# Altium PCB CS2110 MPA DEMO.PCBDOC
Units mil, origin at the board's own origin, x right, y up, seen from the top; angles counter-clockwise.
Board outline 3948.85 x 2374.05 mil, 2 copper layers (Top Layer, Bottom Layer); 58 components, 38 nets, 150 pads, 53 vias.
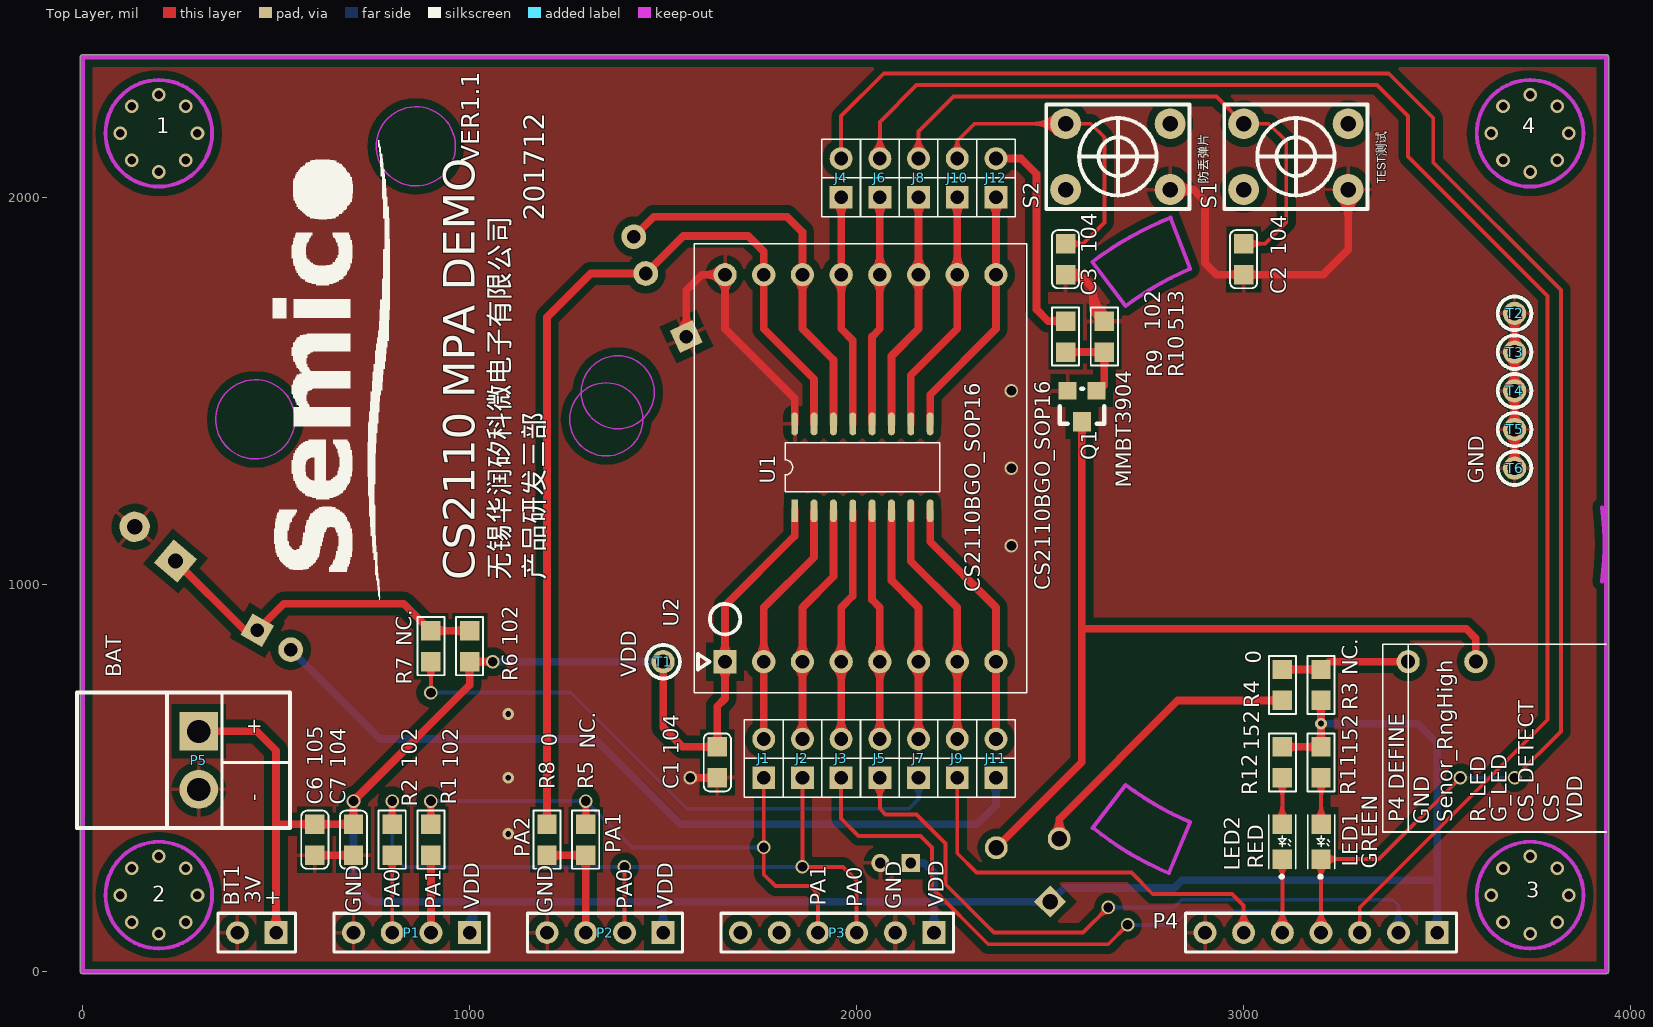
[diagram p0: Top Layer view]
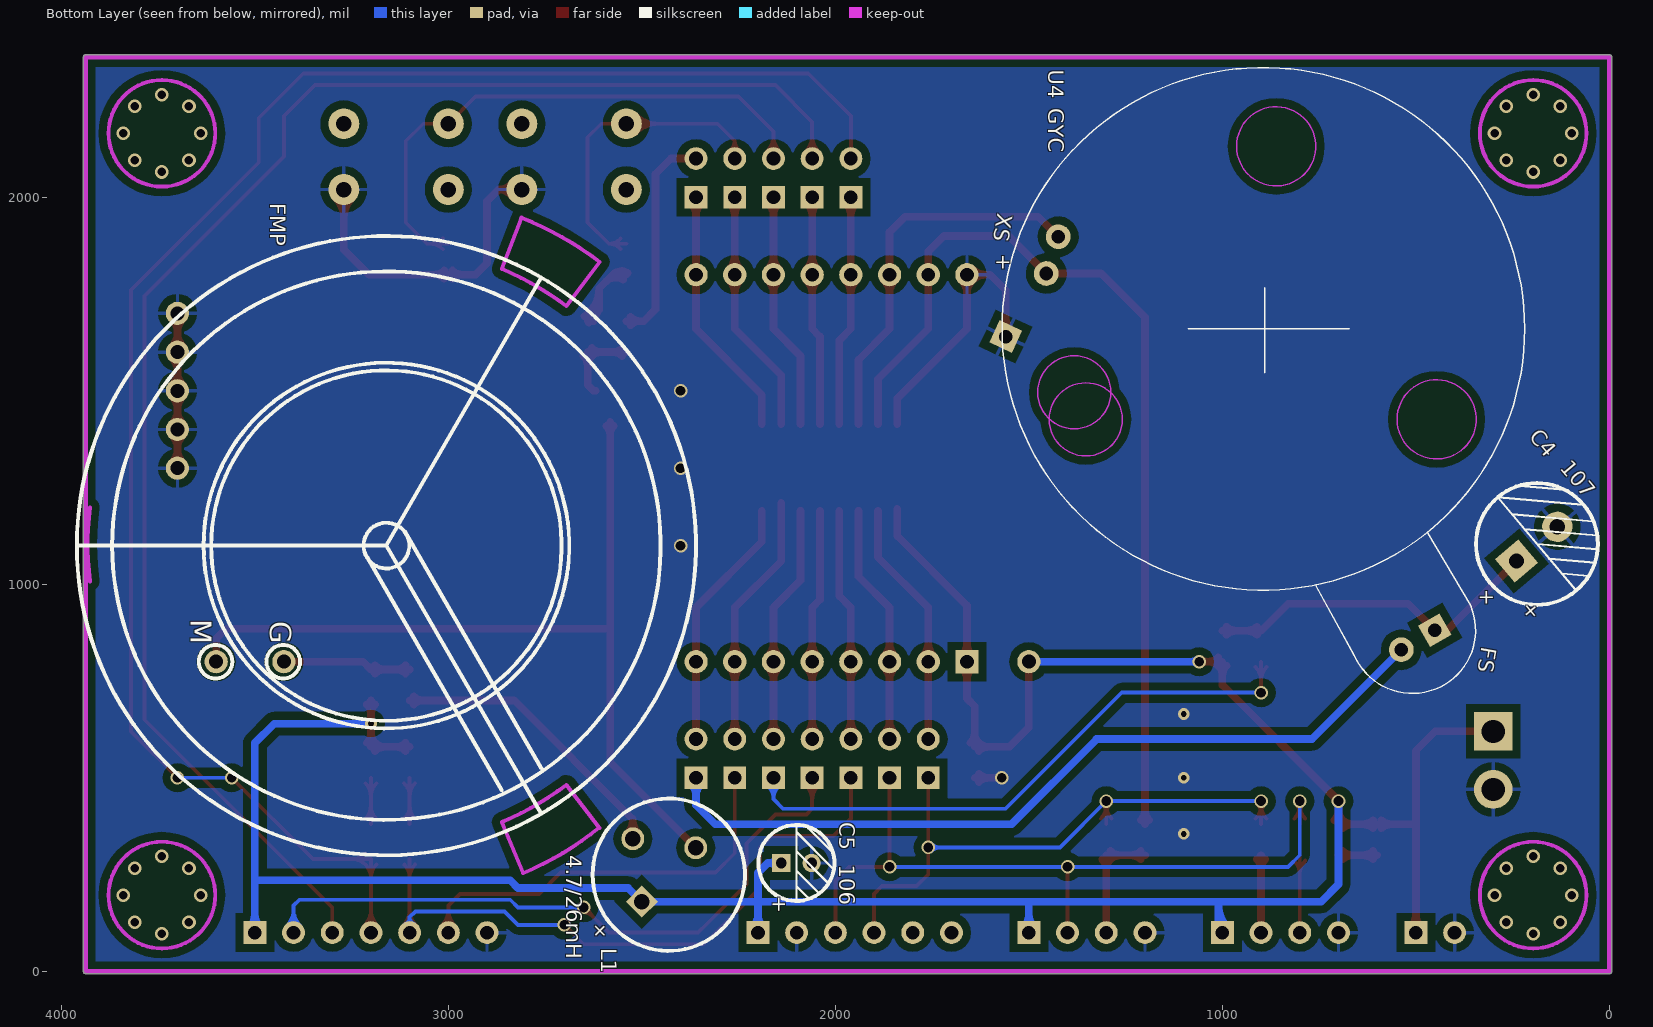
[diagram p1: Bottom Layer view, seen from below]

## Layer stack, top to bottom
Top Layer: signal copper 1.4
Dielectric: dielectric 12.6, FR-4, Dk 4.8
Bottom Layer: signal copper 1.4

## Board outline
-5.92,0 ccw(c0,0) 0,-5.92 3937.01,-5.92 ccw(c3937.01,0) 3942.93,0 3942.93,2362.2 ccw(c3937.01,2362.2) 3937.01,2368.13 0,2368.13 ccw(c0,2362.2) -5.92,2362.2

## Design rules (kind name [scope] priority, off if disabled: settings)
Clearance Clearance_2 [InNamedPolygon('TopLayer-GND')] p1: gap=20
Clearance Clearance_1 [InNamedPolygon('BotLayer-GND')] p2: gap=20
Clearance [All] p3: gap=20
ComponentClearance [All] p1 off: gap=10 collisioncheckmode=3 verticalgap=10 showdistances=FALSE
PolygonConnect PolygonConnect_2 [InNet('GND') vs (InPadClass('All Pads'))] p1: connectstyle=Relief reliefconductorwidth=10 reliefentries=4 polygonreliefangle="90 Angle"
PolygonConnect PolygonConnect_1 [All] p2: connectstyle=Direct reliefconductorwidth=10 reliefentries=4 polygonreliefangle="90 Angle"
RoutingVias [All] p1: holewidth=28 width=50 viastyle="Through Hole" minholewidth=0 minwidth=0 maxholewidth=280 maxwidth=500
SolderMaskExpansion [All] p1: expansion=4
TestPointUsage [All] p1: valid=0 allowmultiple=FALSE
Testpoint [All] p1: side=15 testpointundercomponent=TRUE minsize=40 maxsize=100 preferedsize=60 minholesize=0 maxholesize=40 preferedholesize=32 testpointgrid=1 style=1023 order=0123456789
Width [All] p1: maxlimit=100 minlimit=8 preferedwidth=10
18 further rules are at their usual default settings.

## Components (designator, comment, footprint, x,y, rotation, side; value= is the part's Value field where it differs from the comment)
1 "HOLE" HOLE 196.85,2165.35 r90 top
2 "HOLE" HOLE 196.85,196.85 r90 top
3 "HOLE" HOLE 3740.16,196.85 r90 top
4 "HOLE" HOLE 3740.16,2165.35 r90 top
BT1 "3V" BAT-2 450,100 r180 top
C1 "104" C0805 1640,500 r90 top
C2 "104" C0805 3000,1880 r270 top
C3 "104" C0805 2540,1880 r270 top
C4 "107" 220UF/16V 240,1060 r50 bottom
C5 "106" 47UF/25V 2140,280 r90 bottom
C6 "105" C0805 600,380 r270 top
C7 "104" C0805 700,380 r270 top
FMP "Comment" "SMD-BZ - 3" 3160,1100 r180 bottom
J1 "" SIP2 1760,500 r90 top
J2 "" SIP2 1860,500 r90 top
J3 "" SIP2 1960,500 r90 top
J4 "" SIP2 1960,2000 r90 top
J5 "" SIP2 2060,500 r90 top
J6 "" SIP2 2060,2000 r90 top
J7 "" SIP2 2160,500 r90 top
J8 "" SIP2 2160,2000 r90 top
J9 "" SIP2 2260,500 r90 top
J10 "" SIP2 2260,2000 r90 top
J11 "" SIP2 2360,500 r90 top
J12 "" SIP2 2360,2000 r90 top
L1 "4.7/26mH" LGB3W0912 2500,180 r45 bottom
LED1 "GREEN" L0805 3200.12,380 r270 top
LED2 "RED" L0805 3100,380 r270 top
P1 "UART" HDR1X4 1000,100 r180 top
P2 "PROGRAM" HDR1X4 1500,100 r180 top
P3 "WIRELESS" HDR1X6 2200,100 r180 top
P4 "CO" HDR1X7 3500,100 r180 top
P5 "BAT" 3.81-02P 300,620 r270 top
Q1 "MMBT3904" MMBT3906 2620,1500 r180 top
R1 "102" 0805 900,380 r270 top
R2 "102" 0805 800,380 r270 top
R3 "NC." 0805 3200,700 r90 top
R4 "0" 0805 3100,700 r90 top
R5 "NC." 0805 1300,380 r270 top
R6 "102" 0805 1000,800 r90 top
R7 "NC." 0805 900,800 r90 top
R8 "0" 0805 1200,380 r270 top
R9 "102" 0805 2540,1600 r90 top
R10 "513" 0805 2640,1680 r270 top
R11 "152" 0805 3200,500 r90 top
R12 "152" 0805 3100,500 r90 top
S1 "TEST" KEYP 3000,2020 r90 top
S2 "" KEYP 2540,2020 r90 top
T1 "VDD" "TEST POINT" 1500,800 r0 top
T2 "GND" "TEST POINT" 3700,1700 r0 top
T3 "GND" "TEST POINT" 3700,1600 r0 top (schematic designator T2)
T4 "GND" "TEST POINT" 3700,1500 r0 top (schematic designator T2)
T5 "GND" "TEST POINT" 3700,1400 r0 top (schematic designator T2)
T6 "GND" "TEST POINT" 3700,1300 r0 top (schematic designator T2)
U1 "CS2110BGO_SOP16" SOP16 1840,1190 r90 top
U2 "CS2110BGO_SOP16" TSOP16底座 1660,800 r90 top (schematic designator U3)
U4 "GYC" YANCANG1 890,1660 r180 bottom
? "Comment" SEMICO-1200*314 620,1580 r90 top

## Footprints (in the part's own frame and the unit in brackets; to place one, negate y for a bottom-side part, rotate by r counter-clockwise, add the part's x,y. Pads: shape width x height; smd on the part's side, far side on the other; paste and mask are expansions set on the pad)
3.81-02P [mil]
  rect 100x100 hole 60: 1(0,0)
  round 100 hole 60: 2(150,0)
  silkscreen extent -100,-315 250,236
47UF/25V [mm]
  rect 1.2x1.2 hole 0.7: 1(0,0)
  round 1.2 hole 0.7: 2(0,-2)
  silkscreen extent -2.54,-3.5 2.5,1.5
220UF/16V [mm]
  rect 2x2 hole 1: 1(0,0)
  round 2 hole 1: 2(0,-3.5)
  silkscreen extent -4,-5.75 4,2.25
0805 [mil] "Chip Resistor; Body 2.0 x 1.3 mm (LxW typ)"
  rect 50x50 smd: 1(0,0) 2(80,0)
  silkscreen extent -35,-35 115,35
BAT-2 [mm] "Multicell Battery; 2 Leads"
  rect 1.5x1.5 hole 0.9: 1(-1.27,0)
  round 1.5 hole 0.9: 2(1.27,0)
  silkscreen extent -2.54,-1.27 2.54,1.27
C0805 [mil] "Chip Resistor; Body 2.0 x 1.3 mm (LxW typ)"
  rect 50x50 smd: 1(0,0) 2(80,0)
  silkscreen extent -35,-35 115,35
HDR1X4 [mm] "Connector; Header; 4 Position"
  rect 1.5x1.5 hole 0.9: 1(0,0)
  round 1.5 hole 0.9: 2(2.54,0) 3(5.08,0) 4(7.62,0)
  silkscreen extent -1.27,-1.27 8.89,1.27
HDR1X6 [mm] "Connector; Header; 6 Position"
  rect 1.5x1.5 hole 0.9: 1(0,0)
  round 1.5 hole 0.9: 2(2.54,0) 3(5.08,0) 4(7.62,0) 5(10.16,0) 6(12.7,0)
  silkscreen extent -1.27,-1.27 13.97,1.27
HDR1X7 [mm] "Connector; Header; 7 Position"
  rect 1.5x1.5 hole 0.9: 1(0,0)
  round 1.5 hole 0.9: 2(2.54,0) 3(5.08,0) 4(7.62,0) 5(10.16,0) 6(12.7,0) 7(15.24,0)
  silkscreen extent -1.27,-1.27 16.51,1.27
HOLE [mil]
  Keep-Out Layer circle w10: c0,0 r137.8
KEYP [mil]
  round 80 hole 40: 1(0,0) 2(0,-270) 3(170,0) 4(170,-270)
  silkscreen extent -50,-320 220,50
L0805 [mil] "SMD LED 0805"
  rect 50x50 smd: 1(0,0) 2(90,-0.12)
  silkscreen extent -25,-35 138,35, body extent 6,-16 87,20, height 33
LGB3W0912 [mm]
  rect 1.5x1.5 hole 1: 1(0,0)
  round 1.5 hole 1: 2(3.34,-2.5) 3(0,-5)
  silkscreen extent -5,-7.5 5,2.5
MMBT3906 [mil]
  rect 46x46 smd: 1(0,0) 2(75,0)
  rect 46x50 smd: 3(38,80)
  silkscreen extent -20,-5 95,85
SEMICO-1200*314 [mil]
  silkscreen extent -620,-174 568,128
SIP2 [mm] "Connector; Header; 2 Position"
  rect 1.5x1.5 hole 0.9: 1(0,0)
  round 1.5 hole 0.9: 2(2.54,0)
  silkscreen extent -1.27,-1.27 3.81,1.27
"SMD-BZ - 3" [mil]
  round 60 hole 36: 1(-440,-300) 2(-265,-300)
  Keep-Out Layer lines w10: 551.01,733 ccw(c27.36,43.07) 348.94,847.31 ; 550.34,732.12 464.56,618.93 ccw(c-9.31,-9.92) 298.36,714.89 348.07,845.13 ; 550.08,-729.35 464.48,-618.3 cw(c-9.39,10.55) 298.27,-714.26 353.05,-846.52 ; 549.59,-728.75 cw(c28.51,-82.7) 353.08,-846.6 ; -766.09,-92.69 cw(c15.44,3.27) -766.09,99.23
  silkscreen extent -800,-800 800,800
SOP16 [mm]
  rect 1.5x0.45 smd: 1(0,0)
  oval 1.5x0.45 smd: 2(0,-1.27) 3(0,-2.54) 4(0,-3.81) 5(0,-5.08) 6(0,-6.35) 7(0,-7.62) 8(0,-8.89) 9(5.7,-8.89) 10(5.7,-7.62) 11(5.7,-6.35) 12(5.7,-5.08) 13(5.7,-3.81) 14(5.7,-2.54) 15(5.7,-1.27) 16(5.7,0)
  silkscreen extent 1.23,-9.53 4.46,0.64
"TEST POINT" [mil]
  round 60 hole 36: 1(0,0)
  silkscreen extent -43,-43 43,43
TSOP16底座 [mil] "Connector; Header; 2 Position"
  rect 60x60 hole 35.43: 1(0,0)
  round 60 hole 35.43: 2(0,-100) 3(0,-200) 4(0,-300) 5(0,-400) 6(0,-500) 7(0,-600) 8(0,-700) 9(1000,-700) 10(1000,-600) 11(1000,-500) 12(1000,-400) 13(1000,-300) 14(1000,-200) 15(1000,-100) 16(1000,0)
  silkscreen extent -80,-780 1080,80
YANCANG1 [mil]
  rect 64x64 hole 35.43 rot 30: 1(439,-779)
  round 64 hole 35.43: 2(352.4,-829) 3(-565,143) 4(-534.1,238.11)
  rect 64x64 hole 35.43 rot 65: 5(-670,-20)
  Keep-Out Layer circle w3.94: c443.66,-233.87 r102.36
  Keep-Out Layer circle w3.94: c-462.85,-233.87 r94.49
  Keep-Out Layer circle w3.94: c29.04,471.72 r102.36
  Keep-Out Layer circle w3.94: c-492.85,-163.87 r94.49
  silkscreen extent -679,-942 671,675

## Part data
BT1: library part Battery, "Multicell Battery"
C1 C2 C3 C6 C7: library part Cap, "Capacitor"
C4 C5: library part "Cap Pol1", "Polarized Capacitor (Radial)"
J1 J2 J3 J4 J5 J6 J7 J8 J9 J10 J11 J12: library part JUMPER(SIP2)
L1: library part "Inductor - 3"
LED1 LED2: library part LED0, "Typical INFRARED GaAs LED"
P1 P2: library part "Header 4", "Header, 4-Pin"
P3: library part "Header 6", "Header, 6-Pin"
P4: library part "Header 7", "Header, 7-Pin"
P5: library part "Header 2", "Header, 2-Pin"
Q1: library part NPN
R1 R2 R3 R4 R5 R6 R7 R8 R9 R10 R11 R12: library part Res1, "Resistor"
S1 S2: library part SW-PB, "Switch"
T1 T2 T3 T4 T5 T6: library part "TEST POINT"
U1 U2: library part CS2120
U4: library part 感烟仓

## Via types
v1: diameter 35, hole 22, Top Layer to Bottom Layer, 32 vias
v2: diameter 35, hole 25, Top Layer to Bottom Layer, 17 vias
v3: diameter 30, hole 15, Top Layer to Bottom Layer, 4 vias

## Nets (pads, with @x,y where several pads share a name; then routed paths per layer and width w, separated by ;. In a path a pad name is that pad's centre, name@x,y a point inside that pad or via, vN(x,y) a via of type N, cw(c..) or ccw(c..) an arc to the next point about the centre after c; other vN are vias at no path point)
B: FMP.1 L1.3 Q1.3 | length 2381.5
  Top Layer w20: L1.3 2582,540.39 2582,890 ; Q1.3 2582,890 ; FMP.1 3600,860 3575,885 2587,885 2582,890 ; 2582,1386.62 cw(c2613.38,1386.62) 2591.19,1408.81 ccw(c2613.38,1386.62) 2582,1386.62 ; 2582,1386.62 ccw(c2550.62,1386.62) 2572.81,1408.81 cw(c2550.62,1386.62) 2582,1386.62
CS: J5.1 P4.2 | length 2514.6
  Top Layer w10: J5.1 2060,420 2075,405 2155,405 2230,330 2230,225 2335,120 ; 2340.03,114.97 2335,120 ; v2(2650,165) 2585,100 2355,100 2335,120 ; 2060,440.79 cw(c2119.21,440.79) 2077.34,482.66 ccw(c2119.21,440.79) 2060,440.79 ; 2060,440.79 ccw(c2000.79,440.79) 2042.66,482.66 cw(c2000.79,440.79) 2060,440.79 ; 2060,464.93 cw(c2095.07,464.93) 2070.27,489.73 ccw(c2095.07,464.93) 2060,464.93 ; 2060,464.93 ccw(c2024.93,464.93) 2049.73,489.73 cw(c2024.93,464.93) 2060,464.93 ; 2628.66,143.66 cw(c2650,122.32) 2650,152.5 ccw(c2650,122.32) 2628.66,143.66 ; 2628.66,143.66 ccw(c2607.32,165) 2637.5,165 cw(c2607.32,165) 2628.66,143.66
  Bottom Layer w10: v2(2650,165) 2820,165 2840,185 3385,185 3400,170 P4.2 ; 2680.18,165 cw(c2680.18,195.18) 2658.84,173.84 ccw(c2680.18,195.18) 2680.18,165 ; 2680.18,165 ccw(c2680.18,134.82) 2658.84,156.16 cw(c2680.18,134.82) 2680.18,165 ; 3400,135.07 cw(c3364.93,135.07) 3389.73,110.27 ccw(c3364.93,135.07) 3400,135.07 ; 3400,135.07 ccw(c3435.07,135.07) 3410.27,110.27 cw(c3435.07,135.07) 3400,135.07 ; 3400,159.21 cw(c3340.79,159.21) 3382.66,117.34 ccw(c3340.79,159.21) 3400,159.21 ; 3400,159.21 ccw(c3459.21,159.21) 3417.34,117.34 cw(c3459.21,159.21) 3400,159.21
CS_DETECT: J6.2 P4.3 | length 4288.7
  Top Layer w10: J6.2 2060,2195 2155,2290 3345,2290 3425,2210 3425,2105 3785,1745 3785,650 3300,165 P4.3 ; 2060,2135.07 cw(c2024.93,2135.07) 2049.73,2110.27 ccw(c2024.93,2135.07) 2060,2135.07 ; 2060,2135.07 ccw(c2095.07,2135.07) 2070.27,2110.27 cw(c2095.07,2135.07) 2060,2135.07 ; 2060,2159.21 cw(c2000.79,2159.21) 2042.66,2117.34 ccw(c2000.79,2159.21) 2060,2159.21 ; 2060,2159.21 ccw(c2119.21,2159.21) 2077.34,2117.34 cw(c2119.21,2159.21) 2060,2159.21
G_LED: J4.2 LED1.2 P4.4 | length 5001.2
  Top Layer w10: J4.2 1960,2210 2070,2320 3375,2320 3490,2205 3490,2090 3820,1760 3820,620 v2(3700,500) ; P4.4 LED1.2 3350,290 v2(3560,500) ; 3200,135.07 cw(c3164.93,135.07) 3189.73,110.27 ccw(c3164.93,135.07) 3200,135.07 ; 3200,135.07 ccw(c3235.07,135.07) 3210.27,110.27 cw(c3235.07,135.07) 3200,135.07 ; 3200,159.21 cw(c3140.79,159.21) 3182.66,117.34 ccw(c3140.79,159.21) 3200,159.21 ; 3200,159.21 ccw(c3259.21,159.21) 3217.34,117.34 cw(c3259.21,159.21) 3200,159.21 ; 3200,241.72 cw(c3248.28,241.72) LED1.2@3214.14,275.86 ; 3200,241.72 ccw(c3151.72,241.72) 3185.86,275.86 cw(c3151.72,241.72) 3200,241.72 ; 3200,241.72 cw(c3248.28,241.72) LED1.2@3214.14,275.86 ; LED1.2@3214.14,275.86 cw(c3248.28,241.72) 3248.28,290 ; LED1.2@3214.14,275.86 cw(c3248.28,241.72) 3248.28,290 ; 3248.28,290 cw(c3248.28,338.28) 3214.14,304.14 ccw(c3248.28,338.28) 3248.28,290
  Bottom Layer w10: v2(3560,500) v2(3700,500)
GND: BT1.2 C1.1 C2.2 C3.2 C4.2 C5.2 C6.2 C7.2 P1.4 P2.4 P3.2 P4.7 P5.2 Q1.2 R10.1 S1.2 S2.2 T2.1 T3.1 T4.1 T5.1 T6.1 U1.16 U2.16 U4.5 | length 5785
  Top Layer w20: C6.2 C7.2 ; U4.5 1560,1760 1600,1800 U2.16 1660,1660 1840,1480 U1.16 ; v2(1570,500) C1.1 ; C3.2 2575,1800 ; R10.1 2610,1710 2610,1765 ; S2.2 2870,2020 ; S1.2 3270,1865 3205,1800 C2.2 2930,1800 2900,1830 2900,1990 2870,2020 ; T6.1 T5.1 T4.1 T3.1 T2.1 ; 636.21,300 cw(c636.21,336.21) 610.61,310.61 ccw(c636.21,336.21) 636.21,300 ; 636.21,300 ccw(c636.21,263.79) 610.61,289.39 cw(c636.21,263.79) 636.21,300 ; 663.79,300 cw(c663.79,263.79) 689.39,289.39 ccw(c663.79,263.79) 663.79,300 ; 663.79,300 ccw(c663.79,336.21) 689.39,310.61 cw(c663.79,336.21) 663.79,300 ; 1560,1693.11 cw(c1506.89,1693.11) 1544.44,1655.56 ccw(c1506.89,1693.11) 1560,1693.11 ; 1560,1693.11 ccw(c1613.11,1693.11) 1575.56,1655.56 cw(c1613.11,1693.11) 1560,1693.11 ; 1588.11,500 cw(c1588.11,518.11) 1575.3,505.3 ccw(c1588.11,518.11) 1588.11,500 ; 1588.11,500 ccw(c1588.11,481.89) 1575.3,494.7 cw(c1588.11,481.89) 1588.11,500 ; 1603.79,500 cw(c1603.79,463.79) 1629.39,489.39 ccw(c1603.79,463.79) 1603.79,500 ; 1603.79,500 ccw(c1603.79,536.21) 1629.39,510.61 cw(c1603.79,536.21) 1603.79,500 ; 1611.72,1800 cw(c1611.72,1751.72) U2.16@1645.86,1785.86 ; 1611.72,1800 ccw(c1611.72,1848.28) 1645.86,1814.14 cw(c1611.72,1848.28) 1611.72,1800 ; 1611.72,1800 cw(c1611.72,1751.72) U2.16@1645.86,1785.86 ; U2.16@1645.86,1785.86 cw(c1611.72,1751.72) 1660,1751.72 ; U2.16@1645.86,1785.86 cw(c1611.72,1751.72) 1660,1751.72 ; 1660,1751.72 cw(c1708.28,1751.72) 1674.14,1785.86 ccw(c1708.28,1751.72) 1660,1751.72 ; 2575,1800 cw(c2575,1833.33) 2550.86,1810.34 ccw(c2575,1833.33) 2575,1800 ; 2575,1800 ccw(c2575,1766.67) 2550.86,1789.66 cw(c2575,1766.67) 2575,1800 ; 2575,1800 2610,1765 ; 2610,1765 ccw(c2697.77,1765) 2648.43,1692.41 cw(c2697.77,1765) 2610,1765 ; 2614.39,1705.61 cw(c2588.79,1680) 2625,1680 ccw(c2588.79,1680) 2614.39,1705.61 ; 2614.39,1705.61 ccw(c2640,1731.21) 2640,1695 cw(c2640,1731.21) 2614.39,1705.61 ; 2870,2020 cw(c2870,2064.99) 2834,2038 ccw(c2870,2064.99) 2870,2020 ; 2870,2020 ccw(c2870,1975.01) 2834,2002 cw(c2870,1975.01) 2870,2020 ; 2963.79,1800 cw(c2963.79,1763.79) 2989.39,1789.39 ccw(c2963.79,1763.79) 2963.79,1800 ; 2963.79,1800 ccw(c2963.79,1836.21) 2989.39,1810.61 cw(c2963.79,1836.21) 2963.79,1800 ; 3036.21,1800 cw(c3036.21,1836.21) 3010.61,1810.61 ccw(c3036.21,1836.21) 3036.21,1800 ; 3036.21,1800 ccw(c3036.21,1763.79) 3010.61,1789.39 cw(c3036.21,1763.79) 3036.21,1800 ; 3270,1947.57 cw(c3342.43,1947.57) 3291.21,1998.79 ccw(c3342.43,1947.57) 3270,1947.57 ; 3270,1947.57 ccw(c3197.57,1947.57) 3248.79,1998.79 cw(c3197.57,1947.57) 3270,1947.57 ; 3700,1348.28 cw(c3651.72,1348.28) 3685.86,1314.14 ccw(c3651.72,1348.28) 3700,1348.28 ; 3700,1348.28 ccw(c3748.28,1348.28) 3714.14,1314.14 cw(c3748.28,1348.28) 3700,1348.28 ; 3700,1351.72 cw(c3748.28,1351.72) 3714.14,1385.86 ccw(c3748.28,1351.72) 3700,1351.72 ; 3700,1351.72 ccw(c3651.72,1351.72) 3685.86,1385.86 cw(c3651.72,1351.72) 3700,1351.72 ; 3700,1448.28 cw(c3651.72,1448.28) 3685.86,1414.14 ccw(c3651.72,1448.28) 3700,1448.28 ; 3700,1448.28 ccw(c3748.28,1448.28) 3714.14,1414.14 cw(c3748.28,1448.28) 3700,1448.28 ; 3700,1451.72 cw(c3748.28,1451.72) 3714.14,1485.86 ccw(c3748.28,1451.72) 3700,1451.72 ; 3700,1451.72 ccw(c3651.72,1451.72) 3685.86,1485.86 cw(c3651.72,1451.72) 3700,1451.72 ; 3700,1548.28 cw(c3651.72,1548.28) 3685.86,1514.14 ccw(c3651.72,1548.28) 3700,1548.28 ; 3700,1548.28 ccw(c3748.28,1548.28) 3714.14,1514.14 cw(c3748.28,1548.28) 3700,1548.28 ; 3700,1551.72 cw(c3748.28,1551.72) 3714.14,1585.86 ccw(c3748.28,1551.72) 3700,1551.72 ; 3700,1551.72 ccw(c3651.72,1551.72) 3685.86,1585.86 cw(c3651.72,1551.72) 3700,1551.72 ; 3700,1648.28 cw(c3651.72,1648.28) 3685.86,1614.14 ccw(c3651.72,1648.28) 3700,1648.28 ; 3700,1648.28 ccw(c3748.28,1648.28) 3714.14,1614.14 cw(c3748.28,1648.28) 3700,1648.28 ; 3700,1651.72 cw(c3748.28,1651.72) 3714.14,1685.86 ccw(c3748.28,1651.72) 3700,1651.72 ; 3700,1651.72 ccw(c3651.72,1651.72) 3685.86,1685.86 cw(c3651.72,1651.72) 3700,1651.72 ; C3.2@2537.31,1804.22 cw(c2553.54,1778.77) 2574.89,1800.11 ccw(c2553.54,1778.77) C3.2@2537.31,1804.22 ; C3.2@2540,1805 cw(c2540,1732.57) 2591.21,1783.79 ccw(c2540,1732.57) C3.2@2540,1805 ; C3.2@2548.07,1787.35 cw(c2567.26,1757.26) 2592.5,1782.5 ccw(c2567.26,1757.26) C3.2@2548.07,1787.35 ; 2610,1727.22 ccw(c2672.09,1727.22) 2637.19,1675.86 cw(c2672.09,1727.22) 2610,1727.22
  other v2: 2400,1100 2400,1300 2400,1500
  other v3: 1100,355 1100,500 1100,665
IRED: J11.1 U4.2 | length 2248
  Bottom Layer w20: U4.2 768.6,600 1325,600 1545,380 2310,380 2360,430 J11.1 ; 2360,452.86 cw(c2407.14,452.86) 2373.81,486.19 ccw(c2407.14,452.86) 2360,452.86 ; 2360,452.86 ccw(c2312.86,452.86) 2346.19,486.19 cw(c2312.86,452.86) 2360,452.86
KEY1: C2.1 J8.2 S1.3 | length 1895.6
  Top Layer w10: J8.2 2160,2170 2250,2260 2930,2260 S1.3 3065,2190 3110,2145 3110,1935 3055,1880 C2.1 ; 2160,2135.07 cw(c2124.93,2135.07) 2149.73,2110.27 ccw(c2124.93,2135.07) 2160,2135.07 ; 2160,2135.07 ccw(c2195.07,2135.07) 2170.27,2110.27 cw(c2195.07,2135.07) 2160,2135.07 ; 2160,2159.21 cw(c2100.79,2159.21) 2142.66,2117.34 ccw(c2100.79,2159.21) 2160,2159.21 ; 2160,2159.21 ccw(c2219.21,2159.21) 2177.34,2117.34 cw(c2219.21,2159.21) 2160,2159.21 ; 3048.28,1880 cw(c3048.28,1928.28) 3014.14,1894.14 ccw(c3048.28,1928.28) 3048.28,1880 ; 3048.28,1880 ccw(c3048.28,1831.72) 3014.14,1865.86 cw(c3048.28,1831.72) 3048.28,1880
KEY2: C3.1 J10.2 S2.3 | length 1507.7
  Top Layer w10: J10.2 2260,2145 ; C3.1 2585,1880 ; 2260,2145 cw(c2230.99,2145) 2246.71,2120.61 ccw(c2230.99,2145) 2260,2145 ; 2260,2145 ccw(c2289.01,2145) 2273.29,2120.61 cw(c2289.01,2145) 2260,2145 ; 2260,2145 2305,2190 S2.3 2605,2190 2640,2155 2640,1935 2585,1880 ; 2455.5,2190 cw(c2455.5,2105.5) 2515.25,2165.25 ccw(c2455.5,2105.5) 2455.5,2190 ; 2455.5,2190 ccw(c2455.5,2274.5) 2515.25,2214.75 cw(c2455.5,2274.5) 2455.5,2190 ; 2479.64,2190 cw(c2479.64,2129.64) 2522.32,2172.32 ccw(c2479.64,2129.64) 2479.64,2190 ; 2479.64,2190 ccw(c2479.64,2250.36) 2522.32,2207.68 cw(c2479.64,2250.36) 2479.64,2190 ; 2585,1880 cw(c2585,1920.62) 2554.85,1893.4 ccw(c2585,1920.62) 2585,1880 ; 2585,1880 ccw(c2585,1839.38) 2554.85,1866.6 cw(c2585,1839.38) 2585,1880
NetC4_1: C4.1 R6.2 R7.2 U4.1 | length 1119.3
  Top Layer w20: C4.1 419,881 U4.1 520,950 830,950 R7.2 R6.2 ; 936.21,880 cw(c936.21,916.21) 910.61,890.61 ccw(c936.21,916.21) 936.21,880 ; 936.21,880 ccw(c936.21,843.79) 910.61,869.39 cw(c936.21,843.79) 936.21,880 ; 963.79,880 cw(c963.79,843.79) 989.39,869.39 ccw(c963.79,843.79) 963.79,880 ; 963.79,880 ccw(c963.79,916.21) 989.39,890.61 cw(c963.79,916.21) 963.79,880
NetJ1_2: J1.2 U1.2 U2.2 | length 795.5
  Top Layer w20: J1.2 U2.2 1760,940 1890,1070 U1.2 ; 1760,848.28 cw(c1711.72,848.28) 1745.86,814.14 ccw(c1711.72,848.28) 1760,848.28 ; 1760,848.28 ccw(c1808.28,848.28) 1774.14,814.14 cw(c1808.28,848.28) 1760,848.28
NetJ2_2: J2.2 U1.3 U2.3 | length 1074.6
  Top Layer w20: J2.2 U2.3 1860,940 1940,1020 U1.3 ; 1860,647.14 cw(c1812.86,647.14) 1846.19,613.81 ccw(c1812.86,647.14) 1860,647.14 ; 1860,647.14 ccw(c1907.14,647.14) 1873.81,613.81 cw(c1907.14,647.14) 1860,647.14 ; 1860,751.72 cw(c1908.28,751.72) 1874.14,785.86 ccw(c1908.28,751.72) 1860,751.72 ; 1860,751.72 ccw(c1811.72,751.72) 1845.86,785.86 cw(c1811.72,751.72) 1860,751.72 ; 1860,848.28 cw(c1811.72,848.28) 1845.86,814.14 ccw(c1811.72,848.28) 1860,848.28 ; 1860,848.28 ccw(c1908.28,848.28) 1874.14,814.14 cw(c1908.28,848.28) 1860,848.28
NetJ3_2: J3.2 U1.4 U2.4 | length 1053.9
  Top Layer w20: J3.2 U2.4 1960,940 1990,970 U1.4 ; 1960,647.14 cw(c1912.86,647.14) 1946.19,613.81 ccw(c1912.86,647.14) 1960,647.14 ; 1960,647.14 ccw(c2007.14,647.14) 1973.81,613.81 cw(c2007.14,647.14) 1960,647.14 ; 1960,751.72 cw(c2008.28,751.72) 1974.14,785.86 ccw(c2008.28,751.72) 1960,751.72 ; 1960,751.72 ccw(c1911.72,751.72) 1945.86,785.86 cw(c1911.72,751.72) 1960,751.72 ; 1960,848.28 cw(c1911.72,848.28) 1945.86,814.14 ccw(c1911.72,848.28) 1960,848.28 ; 1960,848.28 ccw(c2008.28,848.28) 1974.14,814.14 cw(c2008.28,848.28) 1960,848.28
NetJ4_1: J4.1 U1.13 U2.13 | length 897.8
  Top Layer w20: J4.1 U2.13 1960,1660 1990,1630 U1.13 ; 1960,1751.72 cw(c2008.28,1751.72) 1974.14,1785.86 ccw(c2008.28,1751.72) 1960,1751.72 ; 1960,1751.72 ccw(c1911.72,1751.72) 1945.86,1785.86 cw(c1911.72,1751.72) 1960,1751.72 ; 1960,1952.86 cw(c2007.14,1952.86) 1973.81,1986.19 ccw(c2007.14,1952.86) 1960,1952.86 ; 1960,1952.86 ccw(c1912.86,1952.86) 1946.19,1986.19 cw(c1912.86,1952.86) 1960,1952.86
NetJ5_2: J5.2 U1.5 U2.5 | length 1049.8
  Top Layer w20: U1.5 2040,960 2060,940 U2.5 J5.2 ; 2060,647.14 cw(c2012.86,647.14) 2046.19,613.81 ccw(c2012.86,647.14) 2060,647.14 ; 2060,647.14 ccw(c2107.14,647.14) 2073.81,613.81 cw(c2107.14,647.14) 2060,647.14 ; 2060,751.72 cw(c2108.28,751.72) 2074.14,785.86 ccw(c2108.28,751.72) 2060,751.72 ; 2060,751.72 ccw(c2011.72,751.72) 2045.86,785.86 cw(c2011.72,751.72) 2060,751.72 ; 2060,848.28 cw(c2011.72,848.28) 2045.86,814.14 ccw(c2011.72,848.28) 2060,848.28 ; 2060,848.28 ccw(c2108.28,848.28) 2074.14,814.14 cw(c2108.28,848.28) 2060,848.28
NetJ6_1: J6.1 U1.12 U2.12 | length 1045.4
  Top Layer w20: U1.12 2040,1640 2060,1660 U2.12 J6.1 ; 2060,1751.72 cw(c2108.28,1751.72) 2074.14,1785.86 ccw(c2108.28,1751.72) 2060,1751.72 ; 2060,1751.72 ccw(c2011.72,1751.72) 2045.86,1785.86 cw(c2011.72,1751.72) 2060,1751.72 ; 2060,1848.28 cw(c2011.72,1848.28) 2045.86,1814.14 ccw(c2011.72,1848.28) 2060,1848.28 ; 2060,1848.28 ccw(c2108.28,1848.28) 2074.14,1814.14 cw(c2108.28,1848.28) 2060,1848.28 ; 2060,1952.86 cw(c2107.14,1952.86) 2073.81,1986.19 ccw(c2107.14,1952.86) 2060,1952.86 ; 2060,1952.86 ccw(c2012.86,1952.86) 2046.19,1986.19 cw(c2012.86,1952.86) 2060,1952.86
NetJ7_2: J7.2 U1.6 U2.6 | length 1070.5
  Top Layer w20: U1.6 2090,1010 2160,940 U2.6 J7.2 ; 2160,647.14 cw(c2112.86,647.14) 2146.19,613.81 ccw(c2112.86,647.14) 2160,647.14 ; 2160,647.14 ccw(c2207.14,647.14) 2173.81,613.81 cw(c2207.14,647.14) 2160,647.14 ; 2160,751.72 cw(c2208.28,751.72) 2174.14,785.86 ccw(c2208.28,751.72) 2160,751.72 ; 2160,751.72 ccw(c2111.72,751.72) 2145.86,785.86 cw(c2111.72,751.72) 2160,751.72 ; 2160,848.28 cw(c2111.72,848.28) 2145.86,814.14 ccw(c2111.72,848.28) 2160,848.28 ; 2160,848.28 ccw(c2208.28,848.28) 2174.14,814.14 cw(c2208.28,848.28) 2160,848.28
NetJ8_1: J8.1 U1.11 U2.11 | length 1066.1
  Top Layer w20: U1.11 2090,1590 2160,1660 U2.11 J8.1 ; 2160,1751.72 cw(c2208.28,1751.72) 2174.14,1785.86 ccw(c2208.28,1751.72) 2160,1751.72 ; 2160,1751.72 ccw(c2111.72,1751.72) 2145.86,1785.86 cw(c2111.72,1751.72) 2160,1751.72 ; 2160,1848.28 cw(c2111.72,1848.28) 2145.86,1814.14 ccw(c2111.72,1848.28) 2160,1848.28 ; 2160,1848.28 ccw(c2208.28,1848.28) 2174.14,1814.14 cw(c2208.28,1848.28) 2160,1848.28 ; 2160,1952.86 cw(c2207.14,1952.86) 2173.81,1986.19 ccw(c2207.14,1952.86) 2160,1952.86 ; 2160,1952.86 ccw(c2112.86,1952.86) 2146.19,1986.19 cw(c2112.86,1952.86) 2160,1952.86
NetJ9_2: J9.2 U1.7 U2.7 | length 1111.2
  Top Layer w20: U1.7@2140,1210 2140,1060 2260,940 U2.7 J9.2 ; 2260,647.14 cw(c2212.86,647.14) 2246.19,613.81 ccw(c2212.86,647.14) 2260,647.14 ; 2260,647.14 ccw(c2307.14,647.14) 2273.81,613.81 cw(c2307.14,647.14) 2260,647.14 ; 2260,751.72 cw(c2308.28,751.72) 2274.14,785.86 ccw(c2308.28,751.72) 2260,751.72 ; 2260,751.72 ccw(c2211.72,751.72) 2245.86,785.86 cw(c2211.72,751.72) 2260,751.72 ; 2260,848.28 cw(c2211.72,848.28) 2245.86,814.14 ccw(c2211.72,848.28) 2260,848.28 ; 2260,848.28 ccw(c2308.28,848.28) 2274.14,814.14 cw(c2308.28,848.28) 2260,848.28
NetJ10_1: J10.1 U1.10 U2.10 | length 1086.8
  Top Layer w20: U1.10 2140,1540 2260,1660 U2.10 J10.1 ; 2260,1751.72 cw(c2308.28,1751.72) 2274.14,1785.86 ccw(c2308.28,1751.72) 2260,1751.72 ; 2260,1751.72 ccw(c2211.72,1751.72) 2245.86,1785.86 cw(c2211.72,1751.72) 2260,1751.72 ; 2260,1848.28 cw(c2211.72,1848.28) 2245.86,1814.14 ccw(c2211.72,1848.28) 2260,1848.28 ; 2260,1848.28 ccw(c2308.28,1848.28) 2274.14,1814.14 cw(c2308.28,1848.28) 2260,1848.28 ; 2260,1952.86 cw(c2307.14,1952.86) 2273.81,1986.19 ccw(c2307.14,1952.86) 2260,1952.86 ; 2260,1952.86 ccw(c2212.86,1952.86) 2246.19,1986.19 cw(c2212.86,1952.86) 2260,1952.86
NetJ11_2: J11.2 U1.8 U2.8 | length 660.4
  Top Layer w20: U1.8 2190,1110 2360,940 U2.8 J11.2
NetJ12_1: J12.1 U1.9 U2.9 | length 804.1
  Top Layer w20: U1.9 2190,1490 2360,1660 U2.9 J12.1 ; 2360,1952.86 cw(c2407.14,1952.86) 2373.81,1986.19 ccw(c2407.14,1952.86) 2360,1952.86 ; 2360,1952.86 ccw(c2312.86,1952.86) 2346.19,1986.19 cw(c2312.86,1952.86) 2360,1952.86
NetL1_2: L1.2 R4.1 | length 1016.3
  Top Layer w20: L1.2 2523.38,393.38 2830,700 R4.1 ; 2523.38,389.72 cw(c2476.24,389.72) 2509.58,356.39 ccw(c2476.24,389.72) 2523.38,389.72 ; 2523.38,389.72 ccw(c2570.53,389.72) 2537.19,356.39 cw(c2570.53,389.72) 2523.38,389.72 ; 3063.79,700 cw(c3063.79,663.79) 3089.39,689.39 ccw(c3063.79,663.79) 3063.79,700 ; 3063.79,700 ccw(c3063.79,736.21) 3089.39,710.61 cw(c3063.79,736.21) 3063.79,700
NetLED1_1: LED1.1 R11.1 | length 423.4
  Top Layer w10: R11.1 3200.12,499.88 LED1.1 ; 3200.12,428.28 cw(c3151.83,428.28) 3185.97,394.14 ccw(c3151.83,428.28) 3200.12,428.28 ; 3200.12,428.28 ccw(c3248.4,428.28) 3214.26,394.14 cw(c3248.4,428.28) 3200.12,428.28 ; R11.1@3185.86,485.86 cw(c3151.44,451.44) 3200.12,451.44 ccw(c3151.44,451.44) R11.1@3185.86,485.86 ; 3200.12,452 cw(c3248,452) 3214.14,485.86 ccw(c3248,452) 3200.12,452
NetLED2_1: LED2.1 R12.1 | length 423.4
  Top Layer w10: LED2.1 R12.1 ; 3100,428.28 cw(c3051.72,428.28) 3085.86,394.14 ccw(c3051.72,428.28) 3100,428.28 ; 3100,428.28 ccw(c3148.28,428.28) 3114.14,394.14 cw(c3148.28,428.28) 3100,428.28 ; 3100,451.72 cw(c3148.28,451.72) 3114.14,485.86 ccw(c3148.28,451.72) 3100,451.72 ; 3100,451.72 ccw(c3051.72,451.72) 3085.86,485.86 cw(c3051.72,451.72) 3100,451.72
NetP1_2: P1.2 R1.2 | length 313.8
  Top Layer w20: P1.2 R1.2 ; 900,263.79 cw(c936.21,263.79) 910.61,289.39 ccw(c936.21,263.79) 900,263.79 ; 900,263.79 ccw(c863.79,263.79) 889.39,289.39 cw(c863.79,263.79) 900,263.79
NetP1_3: P1.3 R2.2 | length 351.7
  Top Layer w10: P1.3 R2.2 ; 800,251.72 cw(c848.28,251.72) 814.14,285.86 ccw(c848.28,251.72) 800,251.72 ; 800,251.72 ccw(c751.72,251.72) 785.86,285.86 cw(c751.72,251.72) 800,251.72
NetP2_3: P2.3 R5.2 R8.2 | length 641.3
  Top Layer w20: R8.2 R5.2 P2.3 ; 1236.21,300 cw(c1236.21,336.21) 1210.61,310.61 ccw(c1236.21,336.21) 1236.21,300 ; 1236.21,300 ccw(c1236.21,263.79) 1210.61,289.39 cw(c1236.21,263.79) 1236.21,300 ; 1263.79,300 cw(c1263.79,263.79) R5.2@1289.39,289.39 ; 1263.79,300 ccw(c1263.79,336.21) 1289.39,310.61 cw(c1263.79,336.21) 1263.79,300 ; 1263.79,300 cw(c1263.79,263.79) R5.2@1289.39,289.39 ; R5.2@1289.39,289.39 cw(c1263.79,263.79) 1300,263.79 ; R5.2@1289.39,289.39 cw(c1263.79,263.79) 1300,263.79 ; 1300,263.79 cw(c1336.21,263.79) 1310.61,289.39 ccw(c1336.21,263.79) 1300,263.79
NetQ1_1: Q1.1 R9.1 R10.2 | length 552.5
  Top Layer w20: R9.1 R10.2 2640,1515 2625,1500 Q1.1 ; 2576.21,1600 cw(c2576.21,1636.21) 2550.61,1610.61 ccw(c2576.21,1636.21) 2576.21,1600 ; 2576.21,1600 ccw(c2576.21,1563.79) 2550.61,1589.39 cw(c2576.21,1563.79) 2576.21,1600 ; 2603.79,1600 cw(c2603.79,1563.79) R10.2@2629.39,1589.39 ; 2603.79,1600 ccw(c2603.79,1636.21) 2629.39,1610.61 cw(c2603.79,1636.21) 2603.79,1600 ; 2603.79,1600 cw(c2603.79,1563.79) R10.2@2629.39,1589.39 ; R10.2@2629.39,1589.39 cw(c2603.79,1563.79) 2640,1563.79 ; R10.2@2629.39,1589.39 cw(c2603.79,1563.79) 2640,1563.79 ; 2640,1563.79 cw(c2676.21,1563.79) 2650.61,1589.39 ccw(c2676.21,1563.79) 2640,1563.79
NetR3_2: FMP.2 R3.2 R4.2 | length 560.8
  Top Layer w20: R4.2 R3.2 3220,800 FMP.2 ; 3136.21,780 cw(c3136.21,816.21) 3110.61,790.61 ccw(c3136.21,816.21) 3136.21,780 ; 3136.21,780 ccw(c3136.21,743.79) 3110.61,769.39 cw(c3136.21,743.79) 3136.21,780 ; 3163.79,780 cw(c3163.79,743.79) 3189.39,769.39 ccw(c3163.79,743.79) 3163.79,780 ; 3163.79,780 ccw(c3163.79,816.21) 3189.39,790.61 cw(c3163.79,816.21) 3163.79,780
PA0: J2.1 P2.2 P3.3 R2.1 | length 2208.4
  Top Layer w10: R2.1 v2(800,440) ; P2.2 v2(1400,270) ; J2.1 v2(1860,270) 1965,270 2000,235 P3.3 ; 800,409.82 cw(c830.18,409.82) 808.84,431.16 ccw(c830.18,409.82) 800,409.82 ; 800,409.82 ccw(c769.82,409.82) 791.16,431.16 cw(c769.82,409.82) 800,409.82 ; v2@800,428.28 cw(c751.72,428.28) 785.86,394.14 ccw(c751.72,428.28) v2@800,428.28 ; v2@800,428.28 ccw(c848.28,428.28) 814.14,394.14 cw(c848.28,428.28) v2@800,428.28
  Bottom Layer w10: v2(800,440) 800,300 830,270 v2(1400,270) v2(1860,270)
PA1: J1.1 P3.4 R1.1 R5.1 | length 2483.2
  Top Layer w10: R1.1 v2(900,440) ; R5.1 v2(1300,440) ; J1.1 v2(1760,320) 1760,250 1790,220 1880,220 1900,200 P3.4 ; 900,409.82 cw(c930.18,409.82) 908.84,431.16 ccw(c930.18,409.82) 900,409.82 ; 900,409.82 ccw(c869.82,409.82) 891.16,431.16 cw(c869.82,409.82) 900,409.82 ; v2@900,428.28 cw(c851.72,428.28) 885.86,394.14 ccw(c851.72,428.28) v2@900,428.28 ; v2@900,428.28 ccw(c948.28,428.28) 914.14,394.14 cw(c948.28,428.28) v2@900,428.28 ; 1300,409.82 cw(c1330.18,409.82) 1308.84,431.16 ccw(c1330.18,409.82) 1300,409.82 ; 1300,409.82 ccw(c1269.82,409.82) 1291.16,431.16 cw(c1269.82,409.82) 1300,409.82 ; v2@1300,428.28 cw(c1251.72,428.28) 1285.86,394.14 ccw(c1251.72,428.28) v2@1300,428.28 ; v2@1300,428.28 ccw(c1348.28,428.28) 1314.14,394.14 cw(c1348.28,428.28) v2@1300,428.28
  Bottom Layer w10: 1255,440 v2(900,440) v2(1300,440) 1420,320 v2(1760,320) ; 1729.82,320 cw(c1729.82,289.82) 1751.16,311.16 ccw(c1729.82,289.82) 1729.82,320 ; 1729.82,320 ccw(c1729.82,350.18) 1751.16,328.84 cw(c1729.82,350.18) 1729.82,320
PA2: R8.1 U1.15 U2.15 U4.3 | length 2586.8
  Top Layer w20: R8.1 1200,1690 1313,1803 U4.3 1552,1900 1720,1900 1760,1860 U2.15 1760,1660 1890,1530 U1.15 ; 1200,416.21 cw(c1163.79,416.21) 1189.39,390.61 ccw(c1163.79,416.21) 1200,416.21 ; 1200,416.21 ccw(c1236.21,416.21) 1210.61,390.61 cw(c1236.21,416.21) 1200,416.21
PA3: U1.14 U2.14 U4.4 | length 1154.4
  Top Layer w20: U4.4 1475.99,1950 1820,1950 1860,1910 U2.14 1860,1660 1940,1580 U1.14 ; 1860,1751.72 cw(c1908.28,1751.72) 1874.14,1785.86 ccw(c1908.28,1751.72) 1860,1751.72 ; 1860,1751.72 ccw(c1811.72,1751.72) 1845.86,1785.86 cw(c1811.72,1751.72) 1860,1751.72
PWM: J12.2 R9.2 | length 672.8
  Top Layer w20: J12.2 2425,2100 2465,2060 2465,1710 2495,1680 R9.2 ; 2503.79,1680 cw(c2503.79,1643.79) 2529.39,1669.39 ccw(c2503.79,1643.79) 2503.79,1680 ; 2503.79,1680 ccw(c2503.79,1716.21) 2529.39,1690.61 cw(c2503.79,1716.21) 2503.79,1680
R_LED: J3.1 LED2.2 P4.5 | length 2250.1
  Top Layer w10: J3.1 1960,395 2005,350 2165,350 2195,320 2195,215 2340,70 2650,70 v2(2700,120) ; LED2.2 3100,289.88 P4.5 ; 3100,135.07 cw(c3064.93,135.07) 3089.73,110.27 ccw(c3064.93,135.07) 3100,135.07 ; 3100,135.07 ccw(c3135.07,135.07) 3110.27,110.27 cw(c3135.07,135.07) 3100,135.07 ; 3100,159.21 cw(c3040.79,159.21) 3082.66,117.34 ccw(c3040.79,159.21) 3100,159.21 ; 3100,159.21 ccw(c3159.21,159.21) 3117.34,117.34 cw(c3159.21,159.21) 3100,159.21 ; LED2.2@3085.74,275.86 cw(c3051.32,241.44) 3100,241.44 ccw(c3051.32,241.44) LED2.2@3085.74,275.86 ; 3100,242 cw(c3147.89,242) 3114.03,275.86 ccw(c3147.89,242) 3100,242
  Bottom Layer w10: v2(2700,120) 2820,120 2855,155 3085,155 3100,140 ; P4.5 3100,140 ; 3100,140 cw(c3079.65,140) 3088.88,121.86 ccw(c3079.65,140) 3100,140 ; 3100,140 ccw(c3120.35,140) 3111.12,121.86 cw(c3120.35,140) 3100,140
SENOR_RNGHIGH: J9.1 P4.6 | length 1357.1
  Top Layer w10: J9.1 2260,305 2310,255 2710,255 2765,200 2970,200 3000,170 P4.6 ; 3000,135.07 cw(c2964.93,135.07) 2989.73,110.27 ccw(c2964.93,135.07) 3000,135.07 ; 3000,135.07 ccw(c3035.07,135.07) 3010.27,110.27 cw(c3035.07,135.07) 3000,135.07 ; 3000,159.21 cw(c2940.79,159.21) 2982.66,117.34 ccw(c2940.79,159.21) 3000,159.21 ; 3000,159.21 ccw(c3059.21,159.21) 3017.34,117.34 cw(c3059.21,159.21) 3000,159.21
VCAP2: J7.1 R7.1 | length 2005.3
  Top Layer w10: v2(900,720) R7.1 ; 900,751.72 cw(c948.28,751.72) 914.14,785.86 ccw(c948.28,751.72) 900,751.72 ; 900,751.72 ccw(c851.72,751.72) 885.86,785.86 cw(c851.72,751.72) 900,751.72
  Bottom Layer w10: v2(900,720) 1260,720 1560,420 1715,420 ; 1690,420 1715,420 ; J7.1 2160,445 ; 1715,420 1750,420 ; 1715,420 1750,420 ; 1750,420 2135,420 2160,445 ; 2160,445 cw(c2209.39,445) 2176.39,481.75 ccw(c2209.39,445) 2160,445 ; 2160,445 ccw(c2110.61,445) 2143.61,481.75 cw(c2110.61,445) 2160,445 ; 2160,467.43 cw(c2189.26,467.43) 2169.71,489.19 ccw(c2189.26,467.43) 2160,467.43 ; 2160,467.43 ccw(c2130.74,467.43) 2150.29,489.19 cw(c2130.74,467.43) 2160,467.43
VDD: BT1.1 C1.2 C5.1 C6.1 C7.1 L1.1 P1.1 P2.1 P3.1 P4.1 P5.1 R3.1 R6.1 R11.2 R12.2 T1.1 U1.1 U2.1 | length 10218.7
  Top Layer w20: P5.1 450,620 500,570 500,380 ; BT1.1 500,380 ; v2(1060,800) R6.1 1000,740 v2(700,440) C7.1 C6.1 500,380 ; T1.1 1500,630 1550,580 C1.2 1640,685 1660,705 U2.1 1660,940 ; 1660,945 1840,1125 U1.1@1840,1195 ; R12.2 R11.2 v3(3200,640) R3.1 ; 500,147.14 cw(c452.86,147.14) 486.19,113.81 ccw(c452.86,147.14) 500,147.14 ; 500,147.14 ccw(c547.14,147.14) 513.81,113.81 cw(c547.14,147.14) 500,147.14 ; 563.79,380 cw(c563.79,343.79) 589.39,369.39 ccw(c563.79,343.79) 563.79,380 ; 563.79,380 ccw(c563.79,416.21) 589.39,390.61 cw(c563.79,416.21) 563.79,380 ; 636.21,380 cw(c636.21,416.21) 610.61,390.61 ccw(c636.21,416.21) 636.21,380 ; 636.21,380 ccw(c636.21,343.79) 610.61,369.39 cw(c636.21,343.79) 636.21,380 ; 663.79,380 cw(c663.79,343.79) 689.39,369.39 ccw(c663.79,343.79) 663.79,380 ; 663.79,380 ccw(c663.79,416.21) C7.1@689.39,390.61 ; 663.79,380 ccw(c663.79,416.21) C7.1@689.39,390.61 ; C7.1@689.39,390.61 ccw(c663.79,416.21) 700,416.21 ; C7.1@689.39,390.61 ccw(c663.79,416.21) 700,416.21 ; 700,416.21 ccw(c736.21,416.21) 710.61,390.61 cw(c736.21,416.21) 700,416.21 ; 700,421.89 cw(c718.11,421.89) 705.3,434.7 ccw(c718.11,421.89) 700,421.89 ; 700,421.89 ccw(c681.89,421.89) 694.7,434.7 cw(c681.89,421.89) 700,421.89 ; 712.8,452.8 cw(c700,465.61) 700,447.5 ccw(c700,465.61) 712.8,452.8 ; 712.8,452.8 ccw(c725.61,440) 707.5,440 cw(c725.61,440) 712.8,452.8 ; 1000,763.79 cw(c1036.21,763.79) R6.1@1010.61,789.39 ; 1000,763.79 ccw(c963.79,763.79) 989.39,789.39 cw(c963.79,763.79) 1000,763.79 ; 1000,763.79 cw(c1036.21,763.79) R6.1@1010.61,789.39 ; R6.1@1010.61,789.39 cw(c1036.21,763.79) 1036.21,800 ; R6.1@1010.61,789.39 cw(c1036.21,763.79) 1036.21,800 ; 1036.21,800 cw(c1036.21,836.21) 1010.61,810.61 ccw(c1036.21,836.21) 1036.21,800 ; 1041.89,800 cw(c1041.89,781.89) 1054.7,794.7 ccw(c1041.89,781.89) 1041.89,800 ; 1041.89,800 ccw(c1041.89,818.11) 1054.7,805.3 cw(c1041.89,818.11) 1041.89,800 ; 1603.79,580 cw(c1603.79,543.79) 1629.39,569.39 ccw(c1603.79,543.79) 1603.79,580 ; 1603.79,580 ccw(c1603.79,616.21) C1.2@1629.39,590.61 ; 1603.79,580 ccw(c1603.79,616.21) C1.2@1629.39,590.61 ; C1.2@1629.39,590.61 ccw(c1603.79,616.21) 1640,616.21 ; C1.2@1629.39,590.61 ccw(c1603.79,616.21) 1640,616.21 ; 1640,616.21 ccw(c1676.21,616.21) 1650.61,590.61 cw(c1676.21,616.21) 1640,616.21 ; 1660,751.72 cw(c1708.28,751.72) 1674.14,785.86 ccw(c1708.28,751.72) 1660,751.72 ; 1660,751.72 ccw(c1611.72,751.72) 1645.86,785.86 cw(c1611.72,751.72) 1660,751.72 ; 1660,848.28 cw(c1611.72,848.28) 1645.86,814.14 ccw(c1611.72,848.28) 1660,848.28 ; 1660,848.28 ccw(c1708.28,848.28) 1674.14,814.14 cw(c1708.28,848.28) 1660,848.28 ; 3136.21,580 cw(c3136.21,616.21) 3110.61,590.61 ccw(c3136.21,616.21) 3136.21,580 ; 3136.21,580 ccw(c3136.21,543.79) 3110.61,569.39 cw(c3136.21,543.79) 3136.21,580 ; 3163.79,580 cw(c3163.79,543.79) 3189.39,569.39 ccw(c3163.79,543.79) 3163.79,580 ; 3163.79,580 ccw(c3163.79,616.21) R11.2@3189.39,590.61 ; 3163.79,580 ccw(c3163.79,616.21) R11.2@3189.39,590.61 ; R11.2@3189.39,590.61 ccw(c3163.79,616.21) 3200,616.21 ; R11.2@3189.39,590.61 ccw(c3163.79,616.21) 3200,616.21 ; 3200,616.21 ccw(c3236.21,616.21) 3210.61,590.61 cw(c3236.21,616.21) 3200,616.21 ; 3200,663.79 cw(c3236.21,663.79) 3210.61,689.39 ccw(c3236.21,663.79) 3200,663.79 ; 3200,663.79 ccw(c3163.79,663.79) 3189.39,689.39 cw(c3163.79,663.79) 3200,663.79
  Bottom Layer w20: v2(700,440) 700,225 745,180 1010,180 ; P1.1 1010,110 1010,180 ; v2(1060,800) T1.1 ; P2.1 1500,180 ; C5.1 2175,280 2200,255 2200,180 ; P3.1 2200,180 ; v3(3200,640) 3450,640 3500,590 3500,235 ; P4.1@3495,105 P4.1 3500,235 ; 700,421.89 cw(c718.11,421.89) 705.3,434.7 ccw(c718.11,421.89) 700,421.89 ; 700,421.89 ccw(c681.89,421.89) 694.7,434.7 cw(c681.89,421.89) 700,421.89 ; 1010,180 1500,180 ; 1078.11,800 cw(c1078.11,818.11) 1065.3,805.3 ccw(c1078.11,818.11) 1078.11,800 ; 1078.11,800 ccw(c1078.11,781.89) 1065.3,794.7 cw(c1078.11,781.89) 1078.11,800 ; 1500,147.14 cw(c1452.86,147.14) 1486.19,113.81 ccw(c1452.86,147.14) 1500,147.14 ; 1500,147.14 ccw(c1547.14,147.14) 1513.81,113.81 cw(c1547.14,147.14) 1500,147.14 ; 1500,180 2200,180 ; 2172.89,280 cw(c2172.89,312.89) 2149.63,289.63 ccw(c2172.89,312.89) 2172.89,280 ; 2172.89,280 ccw(c2172.89,247.11) 2149.63,270.37 cw(c2172.89,247.11) 2172.89,280 ; 2200,147.14 cw(c2152.86,147.14) 2186.19,113.81 ccw(c2152.86,147.14) 2200,147.14 ; 2200,147.14 ccw(c2247.14,147.14) 2213.81,113.81 cw(c2247.14,147.14) 2200,147.14 ; 2200,180 L1.1 2535,215 2820,215 2840,235 3500,235 ; 3500,147.14 cw(c3452.86,147.14) 3486.19,113.81 ccw(c3452.86,147.14) 3500,147.14 ; 3500,147.14 ccw(c3547.14,147.14) 3513.81,113.81 cw(c3547.14,147.14) 3500,147.14 ; P1.1@986.19,113.81 ccw(c928.71,171.29) 1010,171.29 cw(c928.71,171.29) P1.1@986.19,113.81
pads on no net: P3.5 P3.6 S1.1 S1.4 S2.1 S2.4
copper on no net:
  other v1: 196.85,96.85 3740.16,96.85 126.85,126.85 266.85,126.85 3670.16,126.85 3810.16,126.85 96.85,196.85 296.85,196.85 3640.16,196.85 3840.16,196.85 126.85,266.85 266.85,266.85 3670.16,266.85 3810.16,266.85 196.85,296.85 3740.16,296.85 196.85,2065.35 3740.16,2065.35 126.85,2095.35 266.85,2095.35 3670.16,2095.35 3810.16,2095.35 96.85,2165.35 296.85,2165.35 3640.16,2165.35 3840.16,2165.35 126.85,2235.35 266.85,2235.35 3670.16,2235.35 3810.16,2235.35 196.85,2265.35 3740.16,2265.35

## Polygon pours and split planes (outlines as drawn)
GND on Top Layer "TopLayer-GND" (solid, remove dead copper, pour order 1000): 1.04,2367.41 1.04,5.2 3938.05,5.2 3938.05,2367.41
GND on Bottom Layer "BotLayer-GND" (solid, remove dead copper, pour order 1001): 3932.01,2361.77 -5,2361.77 -5,-0.43 3932.01,-0.43 3932.01,2361.77

## Keep-outs
Keep-Out Layer:
  lines w11.81: 0,0 3937.01,0 3937.01,2362.2 0,2362.2 0,0

## Silkscreen, mask and mechanical layers (free items; w line width, h text height)
Top Overlay:
  lines w3.94: 3425,360 3425,845 ; 3937.01,360 3360,360 3360,845 3937.01,845
  text "VER1.1" at 1040,2090 h80 r90
  text "防丢弹片" at 2915,2035 h40 r90
  text "TEST测试" at 3375,2035 h40 r90
  text "201712" at 1211,1940 h90 r90
  text "CS2110 MPA DEMO" at 1040,1010 h140 r90
  text "无锡华润矽科微电子有限公司" at 1120,1010 h90 r90
  text "产品研发三部" at 1210,1010 h90 r90
  text "+" at 460,610 h40 r90
  text "-" at 460,440 h40 r90
  text "P4 DEFINE" at 3415,385 h40 r90
  text "Senor_RngHigh" at 3540,385 h40 r90
  text "R_LED" at 3625,385 h40 r90
  text "G_LED" at 3680,385 h40 r90
  text "CS_DETECT" at 3750,385 h40 r90
  text "CS" at 3815,385 h40 r90
  text "VDD" at 3875,385 h40 r90
  text "GND" at 3480,380 h40 r90
  text "PA1" at 1390,305 h40 r90
  text "PA2" at 1155,295 h40 r90
  text "PA1" at 1920,170 h40 r90
  text "PA0" at 2015,165 h40 r90
  text "VDD" at 2225,165 h40 r90
  text "PA0" at 820,160 h40 r90
  text "PA1" at 925,160 h40 r90
  text "VDD" at 1025,160 h40 r90
  text "PA0" at 1420,160 h40 r90
  text "VDD" at 1525,160 h40 r90
  text "GND" at 2115,160 h40 r90
  text "GND" at 720,150 h40 r90
  text "GND" at 1215,150 h40 r90
Mechanical 1:
  lines w11.81: 0,0 3937.01,0 3937.01,2362.2 0,2362.2 0,0

## Text inside footprints (layer, text, board x,y; h text height)
BT1: Top Overlay "+" at 515,205 h40 r180
C4: Bottom Overlay "+" at 175.91,924.5 h40 r230
C5: Bottom Overlay "+" at 2130,150 h40 r270
FMP: Bottom Overlay "G" at 3460,905 h55 r90; Bottom Overlay "M" at 3665,910 h55 r90
L1: Bottom Overlay "+" at 2580,100 h40 r225
U4: Bottom Overlay "+" at 340,950 h40; Bottom Overlay "+" at 1590,1815 h40; Bottom Overlay "FS" at 330,840 h40 r100; Bottom Overlay "XS" at 1580,1960 h40 r100